# KiCad board main_VCO_board.kicad_pcb (continued)
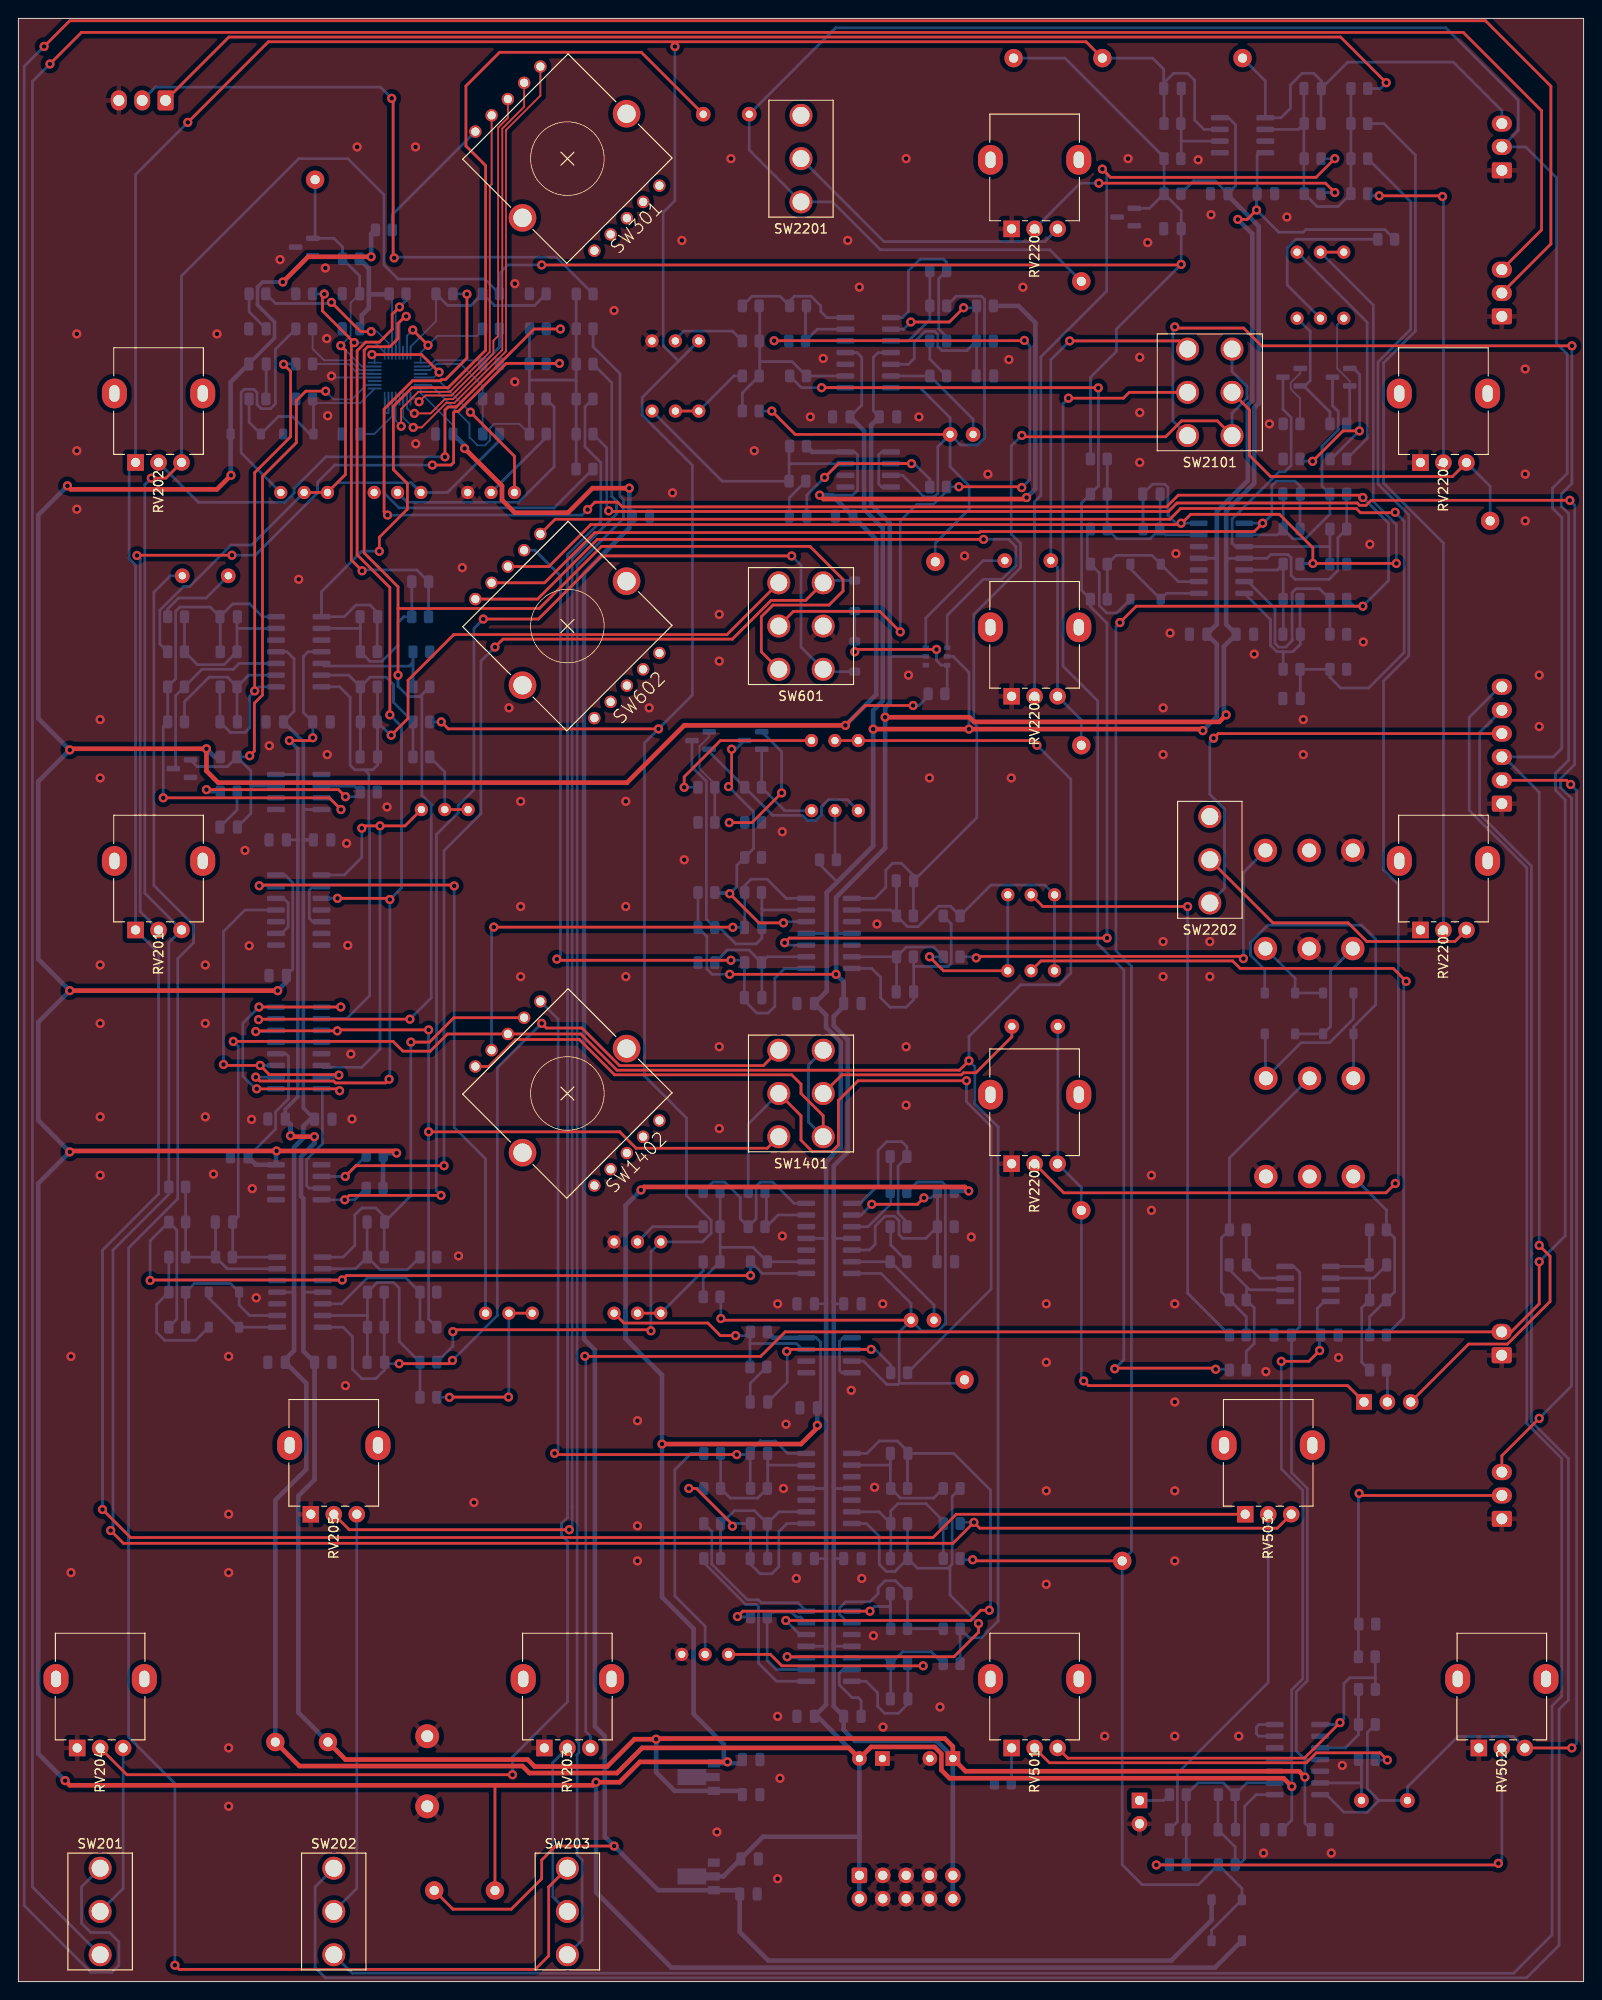
[diagram p0: board, top side]
## Routing (per net, layer and track width the routed paths; a pad name or vN(x,y) marks a point on that pad's centre or on a via; arc(x,y) is an arc through that point) (continued)
-5V: length 283.3
  Top w0.3: TP2308.1 47.24,7.87 53.59,7.87 56.9,11.18 56.9,13.21 58.42,14.73 v1(64.77,14.73)
  Top w0.5: v1(66.42,162.31) 62.42,162.31 59.75,159.64 53.97,159.64 52.58,161.04 52.58,162.56 v1(48.51,166.62)
  Bottom w0.2: U4.8 43.74,172.67 47.27,169.14 C2331.2
  Bottom w0.5: D502.2 129.73,6.67 125.35,2.29 81.53,2.29 78.43,5.39 C2326.2 78.02,9.93 69.57,9.93 63.75,15.75 63.75,26.67 62.68,27.74 62.68,68.64 61.5,69.82 61.5,153.07 66.42,157.99 v1(66.42,162.31) ; C2331.2 48.51,166.94 v1(48.51,166.62)
-5V_REF: length 625.2
  Top w0.3: v1(18.41,202.06) 27.18,210.82 116.08,210.82 TP2306.1 ; RV503.1 101.97,50.79 99.44,48.26 12.19,48.26 v1(9.14,51.31) ; v1(69.6,136.14) 46.74,136.14 v1(45.97,136.91) ; v1(68.77,70.72) 68.65,70.84 47.45,70.84 v1(47.24,70.64)
  Bottom w0.3: TP2306.1 123.32,209.04 124.53,207.83 C2338.1 ; v1(9.14,51.31) 9.14,79.5 15.24,85.6 15.24,111.79 RV201.1 12.74,153.94 12.04,154.64 12.04,164.4 RV202.1 12.74,196.38 v1(18.41,202.06) ; R2304.1 124.56,205.7 C2338.1 ; R703.1 v1(45.97,136.91) ; C2338.1 124.53,206.31 125.6,207.39 127.13,207.39 127.89,206.63 127.89,202.31 128.91,201.29 U18.7 ; R1503.1 47.24,69.06 v1(47.24,70.64) ; v1(68.77,70.72) 68.77,79.31 RV1602.3 74.37,80.39 75.32,81.34 75.32,82.74 72.64,85.42 72.64,93.85 68.07,98.42 68.07,134.62 v1(69.6,136.14) 73.28,139.83 73.28,164.79 67.83,170.24 67.83,172.17 RV802.3 71.78,176.12 70.1,177.8 70.1,192.28 71.38,193.56 v1(71.38,210.3)
-15V: length 660.2
  Top w0.3: v1(132.59,191.52) 133.6,191.52 v1(134.62,192.53) ; v1(137.31,67.41) 140.31,67.41 v1(141.48,68.58) ; v1(128.78,135.96) 128.78,136.06 128.72,136.12
  Top w0.5: v1(92.94,136.12) 128.72,136.12 ; v1(138.46,21.21) 137.57,22.1 101.25,22.1 100.35,23 100.35,24.76 99.62,25.5 92.69,25.5 C2312.2 90.29,25.4 67.82,25.4 65.09,22.67 55.56,22.67 54.8,23.43 30.54,23.43 TP2302.1
  Bottom w0.3: U12.11 87.63,80.77 87.82,80.58 ; C2302.2 138.46,17.56 138.46,24.13 ; 87.82,36.39 87.76,36.45 U15.11 ; v1(141.48,68.58) 141.48,70.15 C2324.2 141.22,70.64 141.22,73.15 141.99,73.91 U17.4 ; v1(103.35,136.12) 103.35,142.3 101.63,144.02 U19.2 ; U11.11 29.72,74.93 29.97,74.68 ; U2.11 29.21,144.53 29.97,143.76 29.97,138.05 C2304.2 ; 90.42,170.05 91.69,171.33 91.69,176.53 91.19,177.04 U6.11 ; 130.3,154.94 130.05,154.69 U8.11 ; 30.99,127.51 31.12,127.38 32.96,127.38 ; 91.36,15.52 91.44,15.44 ; C2314.2 87.75,73.66 87.82,73.59 ; 138.46,24.13 U1.11 ; 138.46,24.13 138.44,24.15 138.44,31.7 139.64,32.9 139.64,53.4 137.31,55.73 v1(137.31,67.41) ; 32.96,102.11 30.99,102.11 ; 87.88,113.79 87.76,113.92 U14.11 ; U16.11 87.63,53.59 87.82,53.41 ; U18.4 134.87,198.75 134.69,198.57 C2328.2 134.62,194.24 v1(134.62,192.53) 137.03,190.12 139.7,190.12 139.99,190.41 148.58,190.41 R1105.2 ; 89.03,119.51 87.12,121.42 R1905.2 ; 87.82,45.91 87.75,45.97 C2322.2
  Bottom w0.4: C2337.2 30.99,94.93 30.99,124.08 ; 30.99,124.08 C2340.2 ; 30.99,124.08 30.99,134.74 C2304.2
  Bottom w0.5: 90.42,170.05 91.95,168.52 91.95,160.02 93.98,157.99 93.98,139.19 92.94,138.15 v1(92.94,136.12) 92.94,123.42 87.88,118.36 87.88,107.63 C2316.2 87.82,105.03 87.82,103.7 89.41,102.11 89.41,90.68 87.82,89.09 87.82,30.1 C2318.2 86.86,28.83 C2312.2 91.44,15.75 ; v1(132.59,191.52) 134.15,189.95 134.15,171.81 133.67,171.32 133.67,163.13 130.3,159.77 130.3,147.51 C2308.2 130.3,145.35 130.3,137.48 v1(128.78,135.96) ; TP2302.1 27.94,52.32 31.3,55.68 31.3,65.03 C2310.2 29.02,67.62 29.97,68.58 29.97,90.68 30.99,91.69 30.99,92.96 31.75,93.73 C2337.2 ; 91.44,15.75 J2301.2 ; 91.44,15.75 80.96,15.75 C2320.2 76.64,11.43 75.22,11.43
GND: length 28.2
  Bottom w0.2: U4.20 34.2,174.33 v1(34.04,174.5) ; 40.24,172.04 40.24,170.49 40.22,170.47 39.71,170.47 39.84,170.6 39.84,172.04
  Bottom w0.3: U13.4 89.53,66.17 89.29,66.41 89.29,69.6 89.66,69.98 U13.1 ; C2317.2 91.63,30.55 91.31,30.86 90.64,30.86 89.25,32.25 89.25,33.49 89.66,33.91 U15.6 ; U7.1 93.85,166.24 93.54,165.93 93.54,162.74 93.85,162.43 94.87,162.43
  vias: v1(5.72,67.94) v1(5.72,44.45) v1(6.35,179.07) v1(6.35,166.37) v1(6.35,160.02) v1(8.89,137.16) v1(8.89,130.81) v1(8.89,110.49) v1(8.89,104.14) v1(8.89,93.98) v1(8.89,87.63) v1(20.32,110.49) v1(20.32,104.14) v1(20.32,93.98) v1(21.21,87.76) v1(21.59,179.07) v1(22.86,67.94) v1(22.86,50.8) v1(22.86,44.45) v1(22.86,25.4) v1(22.86,19.05) v1(24.64,122.94) v1(25.1,112.57) v1(25.35,93.7) v1(25.43,86.18) v1(25.86,74.32) v1(27.28,134.32) v1(28.45,187.15) v1(30.48,152.4) v1(33.38,186.23) v1(33.53,178.56) v1(33.58,133.35) v1(33.63,170.18) v1(35.56,64.77) v1(35.69,123.7) v1(35.81,112.62) v1(36.14,100.81) v1(36.27,93.75) v1(36.83,199.39) v1(40.08,127.66) v1(43.18,199.39) v1(43.21,167.13) v1(47.85,78.87) v1(48.26,153.67) v1(49.53,52.07) v1(53.34,138.43) v1(53.97,184.53) v1(53.97,173.86) v1(54.61,128.27) v1(54.61,116.84) v1(54.61,109.22) v1(64.77,181.61) v1(66.04,128.27) v1(66.04,116.84) v1(66.04,109.22) v1(67.31,60.96) v1(67.31,49.53) v1(67.31,45.72) v1(68.58,138.43) v1(71.12,161.8) v1(72.14,189.23) v1(72.39,121.92) v1(75.95,16.26) v1(76.2,148.59) v1(76.2,143.51) v1(76.2,101.6) v1(76.2,92.71) v1(77.47,198.12) v1(80.01,166.37) v1(82.55,73.66) v1(82.55,28.83) v1(82.55,11.18) v1(82.8,22.1) v1(83.06,124.97) v1(83.06,81.03) v1(83.19,53.59) v1(83.46,60.58) v1(84.58,43.81) v1(86.11,170.05) v1(87.5,176.4) v1(90.17,189.23) v1(90.55,64.26) v1(91.44,184.15) v1(91.69,43.81) v1(92.96,37.59) v1(93.09,53.72) v1(93.34,114.93) v1(93.98,73.66) v1(94.01,27.66) v1(96.52,198.12) v1(96.52,101.6) v1(96.52,95.25) v1(96.77,141.99) v1(97.92,170.05) v1(99.06,130.81) v1(100.2,29.84) v1(102.87,154.94) v1(103.61,80.92) v1(105.41,163.83) v1(107.7,176.28) v1(107.95,130.81) v1(109.22,184.15) v1(111.76,73.66) v1(111.76,67.31) v1(111.76,53.34) v1(111.76,43.18) v1(118.11,26.67) v1(120.65,198.12) v1(121.92,176.53) v1(121.92,170.52) v1(121.92,165.1) v1(122.78,189) v1(123.19,87.63) v1(123.19,83.82) v1(124.46,138.43) v1(124.46,133.35) v1(124.46,113.03) v1(124.46,109.22) v1(125.22,146.56) v1(125.73,73.66) v1(125.73,62.99) v1(125.73,53.34) v1(125.73,45.72) v1(125.73,26.67) v1(125.86,155.19) v1(128.27,197.99) v1(129.54,113.03) v1(129.54,109.22) v1(129.67,192.02) v1(132.69,26.67) v1(134.37,144.27) v1(135.38,13.97) v1(135.64,66.29) v1(136.02,169.29) v1(137.92,191.77) v1(139.7,137.16) v1(139.7,133.35) v1(142.75,13.97) v1(143.54,67.82) v1(143.94,23.49) v1(146.23,145.59) v1(146.94,156.21) v1(163.83,175.26) v1(163.83,163.83) v1(163.83,158.75) v1(165.35,141.99) v1(165.35,136.4)
/audio_mixer/OUT: length 46.5
  Bottom w0.3: C2201.2 141.67,206.57 140.84,207.39 139.57,207.39 138.3,206.12 138.3,203.58 137.29,202.56 U18.1 135.57,206.57 TP106.1 ; C2201.2 144.54,208.61 156.01,208.61 161.29,203.33 J106.3 ; C2201.2 141.63,205.7 R2207.2
/audio_mixer/RING_MOD: length 40.2
  Top w0.3: 131.96,172.72 133.86,170.82 133.86,165.86 136.14,163.58 155.93,163.58 RV2204.3
  Bottom w0.3: RV2204.3 160.02,162.51 TP105.1
/EXT_AUDIO: length 139.9
  Top w0.3: J105.1 22.89,211.34 143.76,211.34 v1(148.72,206.38)
  Bottom w0.3: R2201.1 148.08,205.74 v1(148.72,206.38)
/main_VCO/EXT_CV: length 69
  Top w0.3: v1(40.59,204.67) 40.74,204.52 40.74,187.44 v1(40.85,187.32)
  Bottom w0.3: v1(40.59,204.67) 39.37,205.89 14.91,205.89 J105.2 ; v1(40.85,187.32) 40.94,187.41 58.48,187.41 R306.2
/main_VCO/lin_FM_conditioner/LIN_FM_IN: length 211.7
  Top w0.3: v1(17.02,1.78) 17.48,1.32 56.18,1.32 57.66,2.79 57.66,10.29 SW203.3
  Bottom w0.3: v1(17.02,1.78) 17.02,21.53 11.98,26.57 11.98,79.73 17.32,85.07 17.32,111.18 19.05,112.9 19.05,114.81 14.73,119.13 14.73,151 16.51,152.78 C401.2
/main_VCO/MOD_ENV_DOWN: length 423.4
  Top w0.3: J103.2 166.62,188.85 166.62,205.99 159.51,213.11 5.59,213.11 v1(2.79,210.31)
  Bottom w0.3: v1(2.79,210.31) 0.64,208.15 0.64,8.25 7.87,1.02 10.16,1.02 10.92,1.78 10.92,4.32 9.91,5.33 7.87,5.33 6.86,6.35 6.86,10.29 SW201.3
/main_VCO/MOD_ENV_UP: length 395.5
  Top w0.3: J103.3 165.61,190.37 165.61,203.33 157.1,211.84 6.86,211.84 v1(3.43,208.41)
  Bottom w0.3: v1(3.43,208.41) 1.52,206.5 1.52,10.29 SW201.1
/main_VCO/RIBBON_CV: length 224.4
  Top w0.3: v1(64.18,159.84) 64.24,159.77 125.05,159.77 125.97,160.69 145.57,160.69 145.83,160.44 146.53,160.44 147.07,160.99 v1(168.68,160.99) ; J101.3 161.29,57.15 v1(165.35,61.21)
  Bottom w0.3: v1(165.35,61.21) 168.86,64.72 168.86,128.6 167.67,129.79 167.67,130.73 169.21,132.28 169.21,160.45 v1(168.68,160.99) ; v1(64.18,159.84) 63.96,160.05 63.96,166.69 R307.2
/main_VCO/S_AND_H: length 276.9
  Bottom w0.3: J104.6 161.06,140.72 157.73,137.38 157.73,127.31 164,121.04 164,60.66 167.8,56.86 167.8,31.02 166.75,29.97 166.75,5.08 162.58,0.91 36.3,0.91 SW202.1
/main_VCO/S_AND_H_MIXER: length 288.5
  Bottom w0.3: SW202.3 32.26,10.29 32.26,1.52 33.38,0.41 163.98,0.41 167.51,3.94 167.51,29.59 168.53,30.61 168.53,56.84 164.5,60.86 164.5,121.25 158.88,126.87 158.88,135.76 J104.5
/main_VCO/VCO_core/COARSE_TUNE_IN: length 58.1
  Top w0.3: v1(46.38,165.71) 46.38,170.8 46.72,171.13 47.6,171.13 56.08,179.6 v1(58.93,179.6)
  Bottom w0.3: RV202.2 19.57,160.77 28.97,160.77 30,161.8 30,162.28 33.42,165.71 v1(46.38,165.71) ; R304.2 57.43,179.6 v1(58.93,179.6)
/main_VCO/VCO_core/FINE_TUNE_IN: length 101.6
  Top w0.3: v1(23.22,155.02) 12.92,155.02 v1(12.89,154.99) ; v1(45.01,164.82) 47.04,164.82 47.32,165.1 47.32,170.52 47.43,170.63 47.81,170.63 53.05,175.87 v1(58.83,175.87)
  Bottom w0.3: v1(58.83,175.87) 58.78,175.82 R305.2 ; RV201.2 13.24,116.29 13.24,154.64 v1(12.89,154.99) ; v1(45.01,164.82) 34.39,164.82 32.54,162.96 32.54,161.8 25.76,155.02 v1(23.22,155.02)
/main_VCO/VCO_core/LIN_FM_IN: length 53.2
  Top w0.3: v1(25.69,140.27) 25.69,164 29.59,167.9 29.59,175 v1(28.83,175.77)
  Bottom w0.3: R409.1 21.91,140.68 C404.1 23.05,135.76 24.64,135.76 25.15,136.27 25.15,139.7 26.16,140.72 U2.8 ; R315.2 28.87,175.81 v1(28.83,175.77)
/main_VCO/VCO_core/PWM_CV_IN: length 21.6
  Bottom w0.2: 42.63,177.04 42.63,177.67 45.4,180.44 R201.2
  Bottom w0.3: R202.1 56.12,182.16 51.75,182.16 R203.2 49.22,182.17 46.66,182.17 R201.2
/main_VCO/VCO_core/SWITCHED_OUT: length 48.9
  Top w0.3: v1(37.37,153.32) 36.19,154.5 36.19,177.81 v1(36.51,178.13) 36.5,178.13 33.06,181.57 33.06,183.21 v1(33.26,183.41)
  Bottom w0.2: v1(36.51,178.13) 38.74,178.13 39.84,177.04
  Bottom w0.3: v1(37.37,153.32) 37.47,153.42 43.33,153.42 R205.1 R204.1 ; R322.2 33.24,183.43 v1(33.26,183.41)
/main_VCO/VCO_core/TIME_REV_IN: length 69.5
  Top w0.3: v1(25.15,133.22) 25.65,133.73 25.65,138.94 26.54,139.83 26.54,163.58 30.23,167.26 30.23,171.83 31.24,172.85 v1(33.4,172.85)
  Bottom w0.2: U4.18 37.86,173.53 37.85,173.54 36.27,171.96 34.29,171.96 v1(33.4,172.85)
  Bottom w0.3: 25.27,130.05 25.27,126.94 C403.1 ; 25.27,130.05 25.4,129.92 U3.7 ; 25.27,130.05 25.27,131.6 R406.1 ; R406.1 25.02,133.1 v1(25.15,133.22) ; R406.1 22.72,132.05 19.45,132.05 Q401.1
/main_VCO/VCO_core/V_PER_OCT_IN_3: length 201.1
  Top w0.3: RV204.2 11.8,22.48 v1(53.72,22.48)
  Bottom w0.3: v1(53.72,22.48) 53.72,24.42 59.7,30.4 59.7,47.87 59.04,48.53 59.04,49.77 59.7,50.43 59.7,155.08 63.33,158.71 63.33,165.08 61.61,166.8 61.61,171.14 R308.2
/main_VCO/VCO_core/V_PER_OCT_IN_4: length 156.2
  Top w0.3: RV205.2 35.97,49.11 v1(59.89,49.11)
  Bottom w0.3: v1(59.89,49.11) 60.21,49.42 60.21,51.61 60.2,51.62 60.2,154.66 65.03,159.49 65.03,160.19 65.02,160.19 65.02,160.91 64.52,161.42 64.52,173.76 R309.2
/main_VCO/VCO_core/V_PER_OCT_IN_5: length 181.2
  Bottom w0.3: R310.2 62.48,177.67 65.41,174.75 65.41,161.42 65.79,161.04 65.79,159 60.74,153.96 60.74,26.11 60.94,25.91 60.94,24.87 60.74,24.67 60.74,13.77 61.29,13.22 61.29,4.52 SW203.1
/MOD_OSC: length 312.7
  Top w0.3: v1(61.59,67.97) 61.62,67.94 80.7,67.94 83.36,70.61 J102.2 162.31,70.61 165.35,73.66 v1(165.35,78.23) ; v1(168.91,177.77) 135.15,177.77 133.22,179.71 125.86,179.71 v1(125.73,179.83)
  Bottom w0.3: v1(168.91,177.77) 168.91,163.07 168.9,163.06 168.9,162.81 167.76,161.67 167.76,160.33 168.55,159.54 168.55,132.74 167.13,131.32 167.13,129.46 168.17,128.42 168.17,81.05 v1(165.35,78.23) ; RV203.3 62.19,26.66 61.69,27.16 61.69,67.87 v1(61.59,67.97) ; SW2101.1 125.53,169.62 125.53,179.63 v1(125.73,179.83)
/NOISE: length 51
  Top w0.3: v1(129.95,135.13) 130.45,135.64 J104.4
  Bottom w0.3: v1(129.95,135.13) 129.54,134.72 129.54,129.03 131.14,127.43 131.14,118.82 SW2202.1
/OCTAVE_0: length 301.5
  Top w0.3: v1(165.35,80.01) 166.53,78.83 166.53,73.92 161.9,69.29 157.68,69.29 JP101.3
  Bottom w0.3: TP102.1 112.14,188.21 93.73,188.21 88.52,193.42 SW2201.1 79.46,199.05 C202.2 88.86,212.34 155.19,212.34 163.07,204.47 163.07,201.17 J106.2 163.88,199.39 167.23,196.04 167.23,178.05 168.4,176.89 168.4,163.91 166.8,162.31 166.8,160.12 167.82,159.11 167.82,134.04 166.88,133.1 J104.3 161.51,133.1 165.35,129.26 v1(165.35,80.01)
/OCTAVE_1: length 59.4
  Top w0.3: SW2101.3 126.24,178.31 v1(114.3,178.31)
  Bottom w0.3: v1(114.3,178.31) 112.25,176.26 C601.2 112.99,153.7 RV2202.3 115.57,137.11 TP103.1
/OCTAVE_2: length 71.1
  Top w0.3: JP101.1 144.53,64.77 116.33,64.77 v1(115.82,65.28)
  Bottom w0.3: v1(115.82,65.28) 115.57,65.53 TP104.1 115.57,86.31 RV2203.3 113.02,88.92 C1401.2
/PWM_generator/PWM_CV_OUT: length 359.2
  Top w0.3: TP101.1 103.89,45.72 v1(103.76,45.85) ; v1(146.18,149.48) 121.54,149.48 v1(119.76,147.7) ; v1(146.18,161.29) 145.92,161.54 126.11,161.54 124.84,160.27 65.66,160.27 65.15,160.78 62.68,160.78 v1(61.89,159.98) ; v1(48.77,183.39) 48.77,176.44 46.43,174.11 46.02,174.11 45.89,173.98 42.85,173.98 39.76,170.89 39.76,159.76 v1(40.13,159.38)
  Bottom w0.3: v1(119.76,147.7) 119.33,147.27 119.33,112.04 121.02,110.35 121.02,46.72 TP101.1 120.02,12.7 122.17,10.54 128.31,10.54 R510.2 133.03,10.14 D502.1 129.73,5.59 D501.2 ; v1(61.89,159.98) 61.29,159.38 v1(40.13,159.38) ; v1(48.77,183.39) 48.73,183.43 R201.1 ; v1(146.18,161.29) 148.97,158.5 148.97,152.27 v1(146.18,149.48) 145.18,149.48 R1202.1 ; v1(103.76,45.85) 102.51,45.85 R2006.1
/PWM_LFO_SQR: length 33.4
  Top w0.3: v1(145.77,53.06) 146,52.83 J101.2
  Bottom w0.3: v1(145.77,53.06) 145.7,52.99 R504.1
/PWM_LFO_TRI: length 155
  Top w0.3: J104.2 168.33,130.56 v1(168.77,130.11) ; RV502.3 v1(168.9,25.39)
  Bottom w0.3: v1(168.77,130.11) 169.42,129.46 169.42,25.91 v1(168.9,25.39) ; RV502.3 162.54,26.64 156.51,26.64 151.02,21.15 C501.2 147.93,19.68 ; R501.2 146.67,27.08 146.67,20.94 147.93,19.68 ; 141.48,20.32 142.21,20.32 144.12,18.41 146.66,18.41 147.93,19.68
/ring_modulator/X_IN: length 3.7
  Bottom w0.3: 148.91,66.29 R2101.1 148.84,66.36 JP101.2
/sub_osc_1/basic_pulse_shaper/PULSE_OUT: length 127.4
  Top w0.3: v1(149.69,159.69) 149.64,159.64 145.92,159.64 145.46,160.1 126.37,160.1 125.2,158.93 58.36,158.93 SW602.5
  Bottom w0.3: C1202.2 139.38,142.58 R1205.2 R1206.2 142.6,141.76 143.76,140.59 146.81,140.59 150.67,144.45 150.67,158.7 v1(149.69,159.69)
/sub_osc_1/basic_pulse_shaper/SIGNAL_IN: length 157.3
  Top w0.3: v1(149.82,154.13) v1(140.74,154.13) 140.74,155.83 137.11,159.46 127.46,159.46 126.49,158.5 v1(126.42,158.5) 126.27,158.35 62.24,158.35 57.68,153.79 SW602.3 ; RV1101.2 RV1101.3
  Bottom w0.3: RV1101.2 147.31,182.21 147.31,160.86 149.82,158.35 v1(149.82,154.13) ; R1201.1 139.42,154.13 v1(140.74,154.13) ; R1006.1 122.28,161.63 C1001.2 123.31,162.75 124.64,162.75 124.99,162.39 124.99,159.36 125.86,158.5 v1(126.42,158.5) U8.14
/sub_osc_1/level_shifter_1/IN: length 136.1
  Top w0.3: v1(118.36,113.41) 83.82,113.41 v1(83.31,112.9) ; v1(117.41,173.2) 117.39,173.23 v1(87.33,173.23)
  Bottom w0.3: v1(83.31,112.9) 83.57,112.65 U14.10 ; v1(117.41,173.2) 117.42,173.19 117.42,162.53 R1005.2 115.6,160.7 115.6,151.21 R1001.2 116.56,149.43 118.36,147.62 v1(118.36,113.41) ; R815.2 85.13,173.23 U6.8
/sub_osc_1/level_shifter_1/OUT: length 82.7
  Top w0.3: v1(58.55,111.12) 58.67,111 v1(77.47,111)
  Bottom w0.3: U14.8 83.31,110.11 82.25,109.04 82.25,105.99 81.51,105.26 80.29,105.26 78.93,106.61 78.93,110.71 R902.2 78.72,111 v1(77.47,111) ; SW602.4 56.15,155.56 58.93,152.78 58.93,111.51 v1(58.55,111.12)
/sub_osc_1/OCT_DWN_SAW: length 107.5
  Top w0.3: v1(40.54,135.46) 42.37,137.29 42.37,141.43 47.34,146.4 77.05,146.4 SW601.3
  Bottom w0.3: 32.96,140.72 34.93,140.72 36.07,139.57 36.07,132.21 36.58,131.7 37.65,131.7 ; 37.65,131.7 38.1,131.25 38.1,125.79 38.19,125.7 38.19,107.15 35.69,104.65 32.96,104.65 ; 37.65,131.7 38.53,131.7 39.05,132.22 C701.2 39.05,140.68 R705.2 ; R706.2 40.46,135.46 v1(40.54,135.46)
/sub_osc_1/OCT_DWN_SQR: length 47.2
  Top w0.3: v1(37.34,125.35) 37.59,125.6 v1(39.32,125.6) 42.04,125.6 RV701.1
  Bottom w0.3: v1(37.34,125.35) 37.34,122.17 35.43,120.27 32.96,120.27 ; v1(39.32,125.6) 39.32,101.35 37.34,99.36 33.16,99.36 32.96,99.57
/sub_osc_1/passthrough_switching/SWITCH_0: length 118.2
  Top w0.3: SW601.6 85.6,150.11 81.84,150.11 77.63,145.9 52.68,145.9 v1(51.82,145.03) ; v1(35.54,87.5) 36.7,88.67 v1(46.28,88.67)
  Bottom w0.3: D602.1 87.76,152.27 SW601.6 87.76,152.27 ; v1(51.82,145.03) 50.29,143.51 50.29,126.92 46.28,122.91 v1(46.28,88.67) ; 32.96,87.5 v1(35.54,87.5) R604.2
/sub_osc_1/passthrough_switching/SWITCH_1: length 134.7
  Top w0.3: v1(50.55,148.08) 56.54,148.08 63.4,154.94 v1(84.07,154.94) ; v1(45.95,85.45) 35.97,85.45 v1(35.48,84.96)
  Bottom w0.3: D601.1 87.76,142.37 SW601.4 85.09,145.03 85.09,153.92 v1(84.07,154.94) ; v1(45.95,85.45) 45.43,85.96 45.43,89.02 45.45,89.05 45.45,124.68 47.83,127.05 47.83,127.82 49.53,129.53 49.53,147.07 v1(50.55,148.08) ; R603.2 36.55,84.96 32.96,84.96
/sub_osc_1/passthrough_switching/SWITCH_CTL: length 49.4
  Top w0.3: v1(34.92,96.82) 34.71,97.03 v1(25.91,97.03) ; v1(26.16,105.92) v1(35.05,105.92)
  Bottom w0.3: U10.16 v1(26.16,105.92) 24.4,104.16 24.4,98.41 25.78,97.03 v1(25.91,97.03) U10.9 ; 32.96,86.23 31.6,86.23 31.33,86.5 31.33,89.32 33.05,91.03 33.05,96.94 32.96,97.03 34.71,97.03 v1(34.92,96.82) ; v1(35.05,105.92) 32.96,105.92
/sub_osc_1/saw_animator_1/RATE_R_1: length 20.7
  Bottom w0.3: U6.1 96.14,180.85 96.77,181.48 96.77,185.93 98.04,187.2 100.58,187.2 100.92,186.86 R804.2 100.06,185.07 100.06,179.61 100.92,178.75 R601.1
/sub_osc_1/saw_animator_1/RATE_R_2: length 4.6
  Bottom w0.3: R601.2 99.1,176.32 R805.1
/sub_osc_1/saw_animator_1/SAW_IN: length 87.3
  Top w0.3: v1(102.26,162.46) 109,162.46 v1(109.09,162.37) ; SW601.2 84.27,148.92 93.65,148.92 v1(95.88,146.69) ; v1(82.17,178.33) 109.35,178.33 v1(109.37,178.36)
  Bottom w0.3: v1(102.26,162.46) 100.95,162.46 R806.1 100.92,161.99 99.46,160.53 97.66,160.53 95.88,158.75 v1(95.88,146.69) ; v1(109.09,162.37) 109.97,163.25 109.97,177.76 v1(109.37,178.36) ; v1(82.17,178.33) 82.19,178.31 R807.1
/sub_osc_1/SAW_IN: length 180.5
  Top w0.3: v1(41.28,141.99) 41.28,149.25 ; 41.28,149.25 41.3,149.23 56.65,149.23 63.4,155.98 86.07,155.98 89.66,152.39 89.66,151.13 88.14,149.61 82.04,149.61 80.77,148.34 80.77,144.52 SW601.1 ; 41.28,149.25 41.28,151.58 37.59,155.27 37.59,177.29 37.98,177.68 40.39,177.68 41.28,178.56 41.28,180.21 42.04,180.97 v1(42.16,180.97) ; v1(26.11,104.55) 26.16,104.6 v1(42.57,104.6)
  Bottom w0.2: 41.44,177.04 41.44,180.25 v1(42.16,180.97)
  Bottom w0.3: U10.15 27.9,104.55 v1(26.11,104.55) ; v1(41.28,141.99) 41.28,140.78 42.39,139.67 43.68,139.67 R702.1 43.87,139.85 43.87,128.94 44.88,127.92 44.88,106.91 v1(42.57,104.6)
/sub_osc_1/SINE: length 101.2
  Top w0.3: v1(135.28,158.5) 134.38,157.59 104.59,157.59 104.48,157.48 62.66,157.48 57.2,152.02 SW602.2
  Bottom w0.3: U8.1 v1(135.28,158.5) 135.36,158.5 136.27,159.41 136.27,162.56 136.78,163.07 138.81,163.07 139.38,162.5 C1101.2 139.34,161.63 R1109.2
/sub_osc_1/SQUARE_IN: length 120.5
  Top w0.3: v1(25.81,98.3) 26.23,97.88 34.28,97.88 34.49,97.67 39.91,97.67 v1(40.31,98.07) ; v1(40.39,137.67) 40.39,151.51 36.83,155.07 36.83,177.25 37.76,178.18 39.24,178.18 40.64,179.58 40.64,181.2 v1(41.43,181.99) ; 40.26,117.73 v1(34.7,117.73)
  Bottom w0.2: 41.03,177.04 41.03,181.58 41.4,181.95
  Bottom w0.3: v1(25.81,98.3) U10.10 ; v1(34.7,117.73) 32.96,117.73 ; v1(40.39,137.67) 41.66,136.4 41.66,118.87 v1(40.39,117.6) 40.39,98.15 v1(40.31,98.07) ; v1(41.43,181.99) 42.15,182.71 R316.1
/sub_osc_1/SQUARE_OUT: length 37.8
  Top w0.3: v1(22.3,99.67) 22.4,99.57 v1(26.29,99.57) 27.29,98.57 34.79,98.57 v1(34.84,98.52)
  Bottom w0.3: v1(34.84,98.52) 34.63,98.3 32.96,98.3 ; v1(22.3,99.67) 22.3,114.12 24.64,116.46 U5.11 ; v1(26.29,99.57) U10.11
/sub_osc_1/STATIC_SAW_OUT: length 94.9
  Top w0.3: SW1401.1 81.43,90.57 67.16,90.57 65.38,92.35 v1(44.6,92.35) ; v1(25.81,103.25) 25.88,103.33 v1(34.67,103.33) 34.77,103.43 v1(44.6,103.43)
  Bottom w0.3: v1(25.81,103.25) 27.88,103.25 U10.14 ; v1(34.67,103.33) 33.01,103.33 32.96,103.38 ; v1(44.6,103.43) v1(44.6,92.35) 44.6,72.01 R1502.1
/sub_osc_1/~{OUTPUT_ENABLE}: length 19.2
  Top w0.3: v1(99.82,144.78) 91.19,144.78 v1(90.93,144.53)
  Bottom w0.3: v1(90.93,144.53) D601.2 D602.2 ; v1(99.82,144.78) 99.82,143.58 100.33,143.07 U19.3 100.98,140.2 R602.1
/sub_osc_2/harmonic_pulse_shaper/PULSE_OUT: length 82.7
  Top w0.3: v1(58.29,57.4) 58.42,57.28 v1(78.1,57.28)
  Bottom w0.3: v1(58.29,57.4) 58.67,57.78 58.67,104.61 SW1402.5 ; U16.14 83.64,57.4 82.3,58.75 80.7,58.75 80.67,58.78 79.57,57.67 C2006.2 ; C2006.2 79.44,57.28 v1(78.1,57.28) ; C2006.2 79.57,53.63 R2016.2
/sub_osc_2/harmonic_pulse_shaper/SIGNAL_IN: length 248.4
  Top w0.3: RV1901.2 RV1901.3 110.24,134.87 v1(110.74,134.37) ; v1(103.35,100.08) 102.33,99.05 65.08,99.05 61.14,102.99 SW1402.3 46.65,102.99 44.78,101.12 41.81,101.12 40.74,102.18 v1(23.37,102.18)
  Bottom w0.3: R2001.1 R2002.1 103.38,37.36 104.7,37.36 106.52,39.18 106.52,92.9 106.51,92.89 103.98,95.42 103.98,99.45 v1(103.35,100.08) 103.35,102.72 108.97,108.33 113.16,108.33 114.43,109.6 114.43,130.68 v1(110.74,134.37) ; v1(23.37,102.18) 23.9,101.65 23.9,83.15 C1801.2 23.3,78.78 R1806.1 U11.14
/sub_osc_2/level_shifter_2/IN: length 95.1
  Top w0.3: v1(14.33,76.2) 14.38,76.25 v1(35.2,76.25) 35.69,76.73 v1(79.6,76.73)
  Bottom w0.3: U11.3 35.15,76.2 v1(35.2,76.25) ; U12.8 80.88,76.96 R1615.2 79.61,76.74 v1(79.6,76.73) ; R1801.2 17.22,71.98 17.22,81.69 R1805.2 14.33,80.52 v1(14.33,76.2)
/sub_osc_2/level_shifter_2/OUT: length 49.8
  Top w0.3: SW1402.4 47.35,104.76 44.7,102.11 v1(42.67,102.11)
  Bottom w0.3: U11.1 35.31,78.74 36.58,80.01 36.58,83.31 37.34,84.07 38.86,84.07 39.81,83.12 C1701.2 ; v1(42.67,102.11) 42.67,85.41 C1701.2 ; R1702.2 39.77,82.51 C1701.2
/sub_osc_2/octave_divider_2/OCTAVE_DOWN_SAW_OUT: length 96.6
  Top w0.3: v1(47.19,67.51) 46.84,67.16 v1(41.4,67.16) ; SW1401.3 81,99.55 65.36,99.55 61.28,103.63 57.4,103.63 v1(56.9,104.14)
  Bottom w0.3: v1(47.19,67.51) 52.07,72.39 52.07,99.31 v1(56.9,104.14) ; C1501.2 39.77,67.35 R1506.2 R1505.2 ; C1501.2 39.96,67.16 v1(41.4,67.16) ; C1501.2 39.81,66.48 38.86,65.53 37.34,65.53 36.32,66.55 36.32,70.1 35.31,71.12 U11.7
/sub_osc_2/octave_divider_2/OCTAVE_DOWN_SQR_OUT: length 71
  Top w0.3: v1(47.38,119.08) 47.28,119.18 26.26,119.18 v1(26.19,119.1)
  Bottom w0.3: v1(26.19,119.1) 27.9,119.1 U5.13 ; v1(47.38,119.08) 47.38,92.83 50.79,89.42 RV1501.1
/sub_osc_2/saw_animator_2/RATE_R_1: length 20.8
  Bottom w0.3: 96.67,82.04 96.67,82.48 95.64,83.51 95.64,88.63 96.67,89.66 ; U12.1 91.52,84.58 93.47,86.54 93.47,90.35 94.41,91.29 96.04,91.29 96.61,90.72 R1604.2
/sub_osc_2/saw_animator_2/RATE_R_2: length 4.6
  Bottom w0.3: 96.67,78.23 94.85,80.06 94.85,82.04
/sub_osc_2/saw_animator_2/SAW_IN: length 79.2
  Top w0.3: SW1401.2 85.09,94.1 85.09,91.44 86.31,90.22 88.44,90.22 89.15,90.93 89.15,95.76 91.3,97.9 v1(103.08,97.9)
  Bottom w0.3: v1(103.08,97.9) 103.08,95.61 105.77,92.93 105.77,75.26 R1606.1 ; SW1401.2 79.35,93.2 R1607.1
/sub_osc_2/SINE: length 53.2
  Top w0.3: v1(77.67,114.58) 77.65,114.6 v1(51.69,114.6)
  Bottom w0.3: U14.14 83.49,117.73 81.41,119.81 79.68,119.81 78.97,119.1 R1909.2 78.97,114.59 78.93,114.55 78.91,114.58 v1(77.67,114.58) ; v1(51.69,114.6) 51.45,114.37 SW1402.2
Net-(C201-Pad2): length 112
  Top w0.3: C202.1 67.73,209.68 52.32,209.68 48.66,206.01 48.66,199.5 50.8,197.36 50.8,177.29 46.74,173.23 42.8,173.23 40.77,171.2 40.77,164.34 42.29,162.81 42.29,160.02 39.24,156.97 v1(39.24,155.45)
  Bottom w0.3: R206.2 39.01,148.3 C201.2 39.05,148.79 38.23,149.61 36.7,149.61 35.43,148.34 32.96,148.34 32.96,151.06 37.34,155.45 v1(39.24,155.45)
Net-(C301-Pad1): length 3.8
  Bottom w0.3: C301.1 26.94,172.04 R301.1
Net-(C302-Pad1): length 4.6